# Altium PCB 4 Layers Motherboard.PcbDoc (part 1 of 3) (continued)
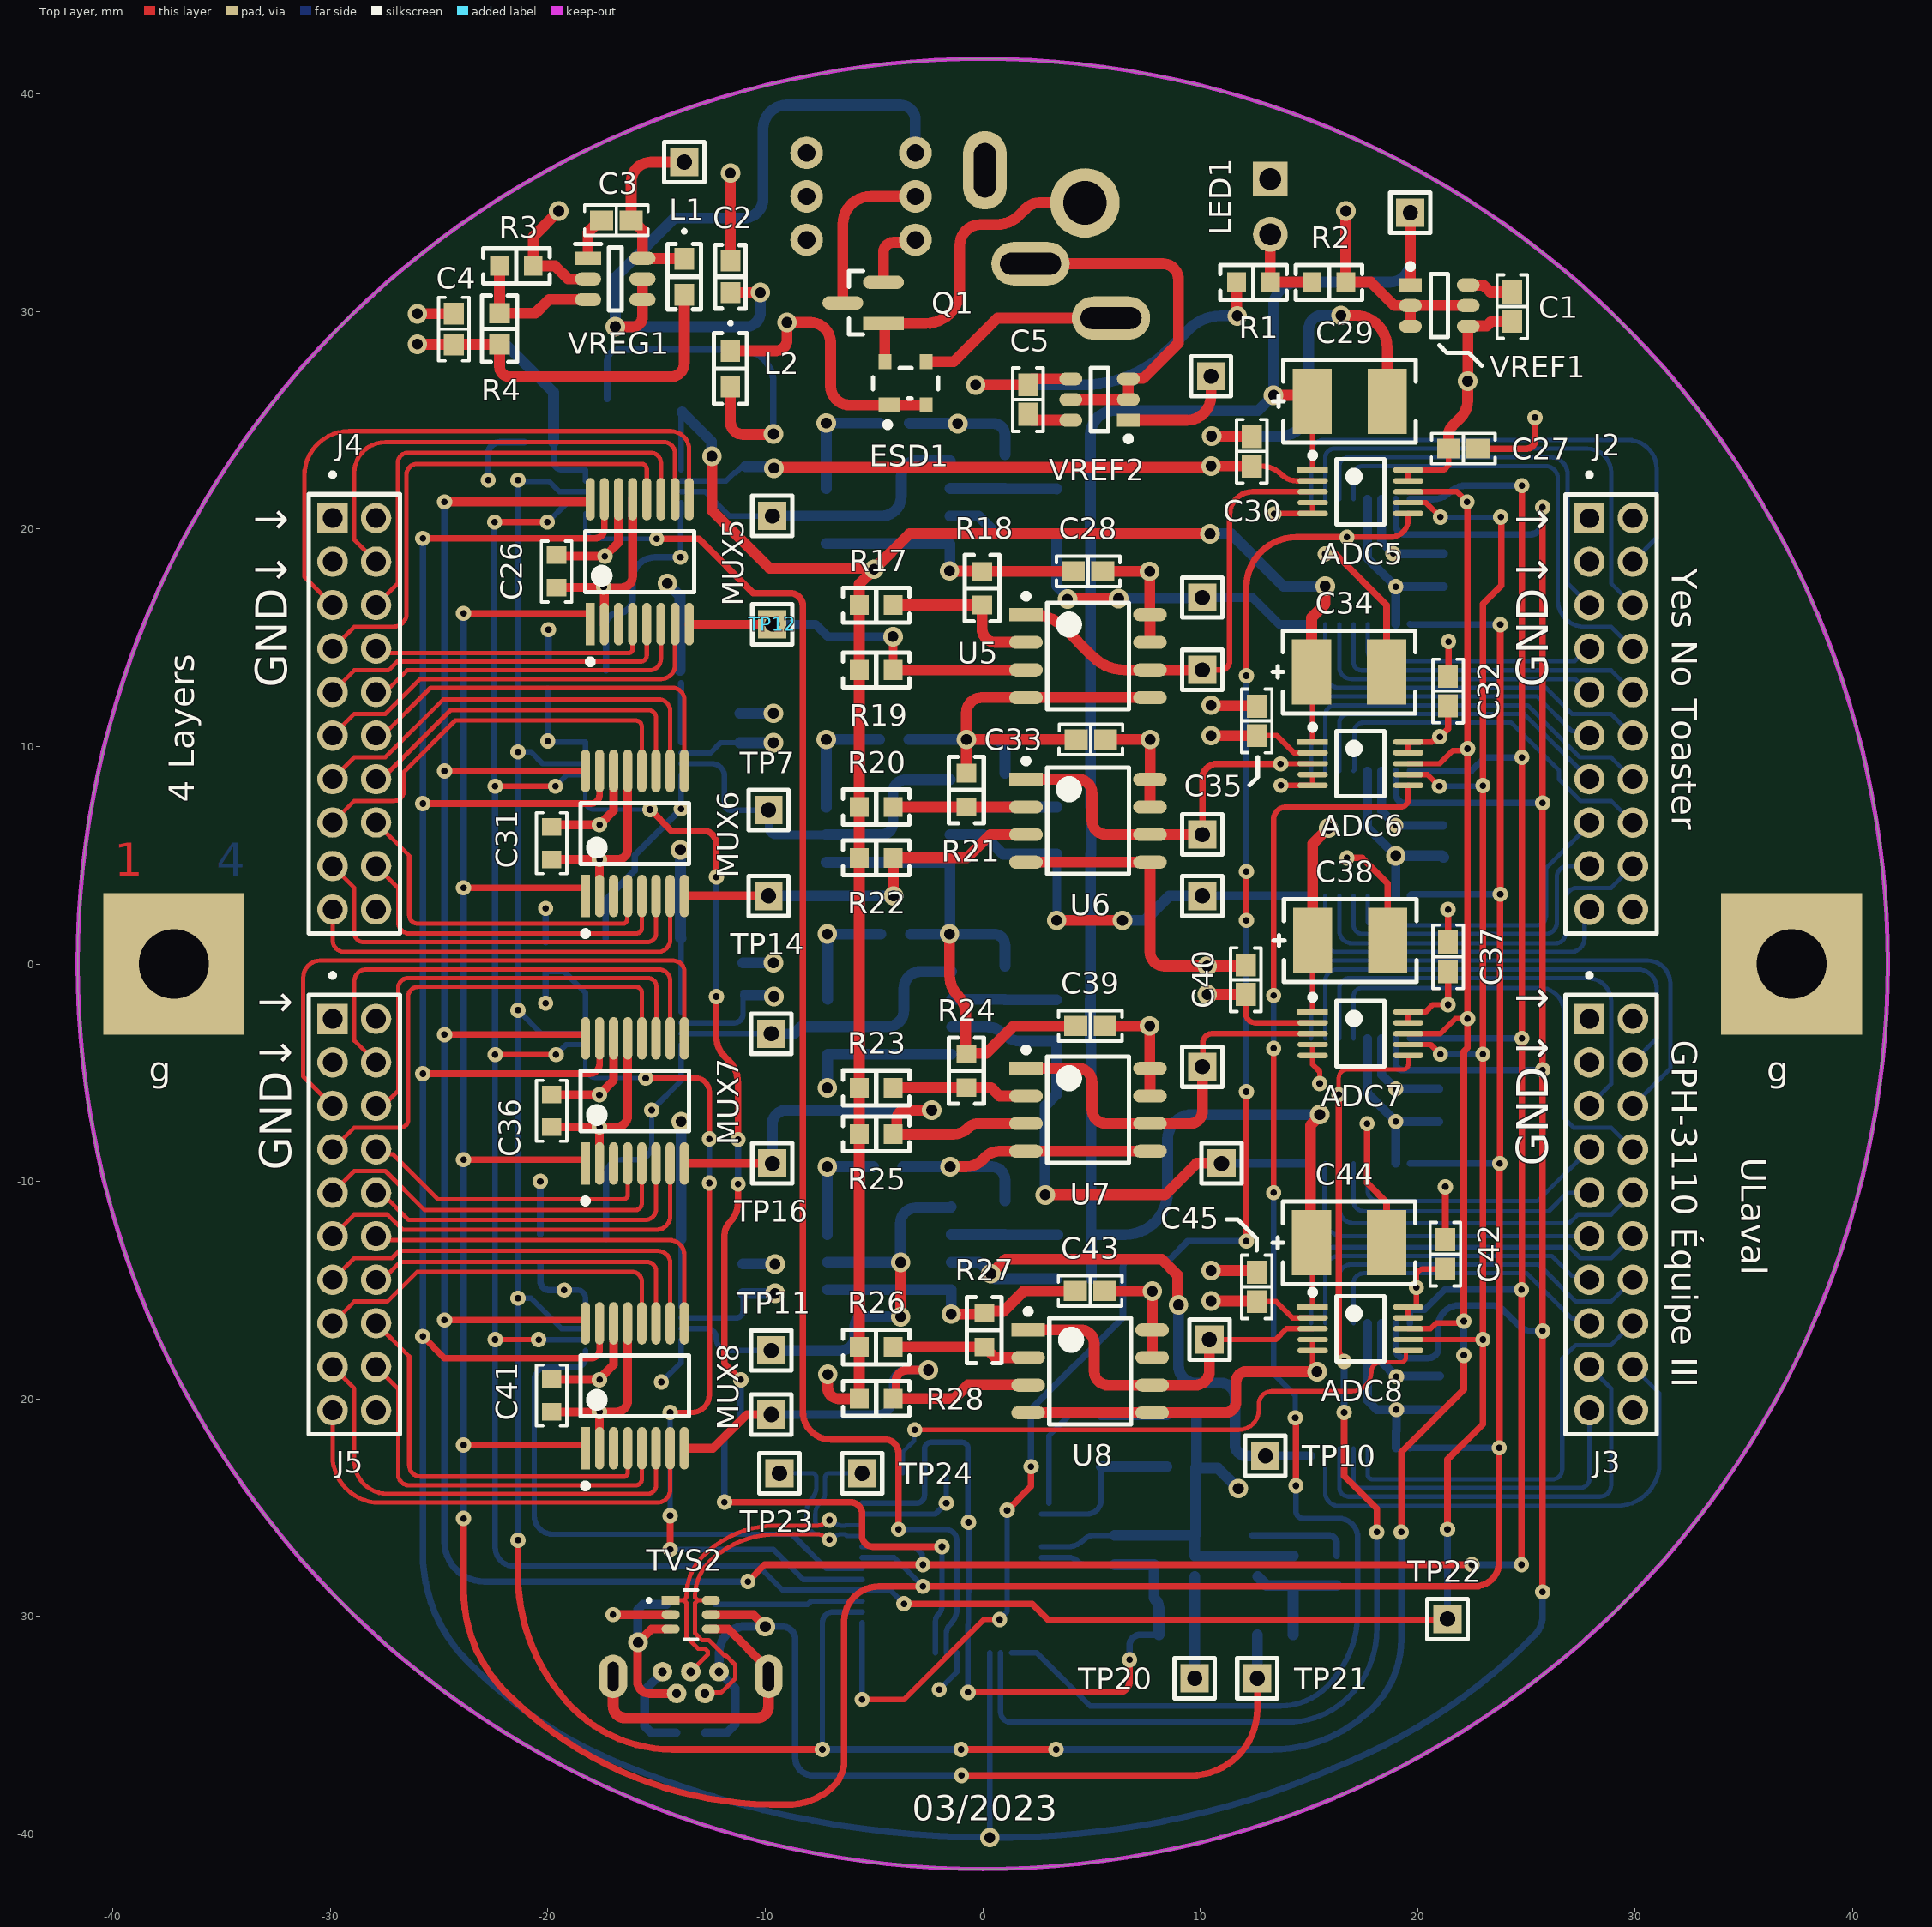
[diagram p0: Top Layer view]
## Footprints (in the part's own frame and the unit in brackets; to place one, negate y for a bottom-side part, rotate by r counter-clockwise, add the part's x,y. Pads: shape width x height; smd on the part's side, far side on the other; paste and mask are expansions set on the pad)
"ABS07-120-32.768KHZ-T A" [mm] "32.768 kHz ±20ppm Crystal 6pF 55 kOhms 2-SMD, No Lead"
  rect 1.4x1.9 smd: 1(-1.2,0) 2(1.2,0)
  silkscreen extent -2.2,-1.3 2.2,1.3, body extent -1.6,-0.75 1.6,0.75, height 0.9
ATSAMD21G18-AU [mm] "ARM® Cortex®-M0+ SAM D21G, Functional Safety (FuSa) Microcontroller IC 32-Bit Single-Core 48MHz 256KB (256K x 8) FLASH 48-TQFP (7x7)"
  rect 1.655x0.252 smd paste+0 mask+0: 1(-4.125,2.75)
  rrect100% 1.655x0.252 smd paste+0 mask+0: 2(-4.125,2.25) 3(-4.125,1.75) 4(-4.125,1.25) 5(-4.125,0.75) 6(-4.125,0.25) 7(-4.125,-0.25) 8(-4.125,-0.75) 9(-4.125,-1.25) 10(-4.125,-1.75) 11(-4.125,-2.25) 12(-4.125,-2.75) 25(4.125,-2.75) 26(4.125,-2.25) 27(4.125,-1.75) 28(4.125,-1.25) 29(4.125,-0.75) 30(4.125,-0.25) 31(4.125,0.25) 32(4.125,0.75) 33(4.125,1.25) 34(4.125,1.75) 35(4.125,2.25) 36(4.125,2.75)
  rrect100% 0.252x1.655 smd paste+0 mask+0: 13(-2.75,-4.125) 14(-2.25,-4.125) 15(-1.75,-4.125) 16(-1.25,-4.125) 17(-0.75,-4.125) 18(-0.25,-4.125) 19(0.25,-4.125) 20(0.75,-4.125) 21(1.25,-4.125) 22(1.75,-4.125) 23(2.25,-4.125) 24(2.75,-4.125) 37(2.75,4.125) 38(2.25,4.125) 39(1.75,4.125) 40(1.25,4.125) 41(0.75,4.125) 42(0.25,4.125) 43(-0.25,4.125) 44(-0.75,4.125) 45(-1.25,4.125) 46(-1.75,4.125) 47(-2.25,4.125) 48(-2.75,4.125)
  silkscreen extent -4.25,-2.75 2.75,3.58, body extent -4.5,-4.5 4.5,4.5, height 1.2
"Cap Ceramic 0.1 uF 50V SMT 0603" [mm] "0.1 µF ±5% 50V Ceramic Capacitor X7R 0603 (1608 Metric)"
  rect 1.058x0.912 smd paste+0 mask+0: 1(-0.677,0) 2(0.677,0)
  silkscreen extent -1.46,-0.7 1.46,0.7, body extent -1.46,-0.71 1.46,0.71, height 0.25
"Cap Ceramic 0.22 uF 25V SMT 0603" [mm] "0.22 µF ±10% 25V Ceramic Capacitor X7R 0603 (1608 Metric)"
  rect 0.959x0.912 smd paste+0 mask+0: 1(-0.727,0) 2(0.727,0)
  silkscreen extent -1.46,-0.7 1.46,0.7, body extent -1.46,-0.71 1.46,0.71, height 0.25
"Cap Ceramic 1 uF 16V SMT 0603" [mm] "1 µF ±10% 16V Ceramic Capacitor X5R 0603 (1608 Metric)"
  rect 1.058x0.912 smd paste+0 mask+0: 1(-0.677,0) 2(0.677,0)
  silkscreen extent -1.46,-0.7 1.46,0.7, body extent -0.8,-0.4 0.8,0.4, height 0.9
"Cap Ceramic 2.2 uF 6.3V SMT 0603" [mm] "2.2 µF ±10% 6.3V Ceramic Capacitor X7R 0603 (1608 Metric)"
  rect 1.058x0.912 smd paste+0 mask+0: 1(-0.677,0) 2(0.677,0)
  silkscreen extent -1.46,-0.7 1.46,0.7, body extent -1.46,-0.71 1.46,0.71, height 0.25
"Cap Ceramic 10 uF SMT 0603" [mm] "10 µF ±10% 6.3V Ceramic Capacitor X5R 0603 (1608 Metric)"
  rect 1.008x0.912 smd paste+0 mask+0: 1(-0.702,0) 2(0.702,0)
  silkscreen extent -1.46,-0.7 1.46,0.7, body extent -1.46,-0.71 1.46,0.71, height 0.25
"Cap Tantalum 10 uF 16V SMT 1411" [mm] "10 µF Molded Tantalum Capacitors 16 V 1411 (3528 Metric) 2Ohm"
  rect 1.8x3 smd paste+0 mask+0: 1(-1.725,0) 2(1.725,0)
  silkscreen extent -3.05,-1.91 3.52,1.91, body extent -1.75,-1.4 1.75,1.4, height 2.1
"Cap Yaego 0603 MFG" [mm]
  rect 0.8x0.9 smd paste+0 mask+0: 1(-0.75,0) 2(0.75,0)
  silkscreen extent -1.4,-0.7 1.4,0.7, body extent -0.8,-0.4 0.8,0.4, height 0.9
"Capacitor 20 pF SMT 0603" [mm]
  rect 1.058x0.912 smd paste+0 mask+0: 1(-0.677,0) 2(0.677,0)
  silkscreen extent -1.46,-0.7 1.46,0.7, body extent -0.8,-0.4 0.8,0.4, height 0.9
"DC Power Jack 2.5 mm" [mm] "Power Barrel Connector Jack 2.50mm ID (0.098\"), 5.50mm OD (0.217\") Through Hole"
  round 3.2 hole 2: 1(0,0)
  oval 3.6x2 hole 1 slot 2.8 at 0 deg: 2(-1.2,-5.3) 3(2.5,-2.8)
  oval 2x3.6 hole 1 slot 2.5 at 90 deg: S1(4.6,1.5)
  silkscreen extent -5.5,-6.75 4.75,4.45, body extent -4.7,-6.7 4.8,4.5, height 14.2
"Eaton Ferrite Bead 0603" [mil] "Power Line Ferrite Bead 0603 (1608 Metric)"
  rect 33.78x39 smd paste+0 mask+0: 1(-32.39,0) 2(32.39,0)
  silkscreen extent -85,-31 60,31, body extent -36,-19 36,19, height 39
"Headers 20 Pos TH 0.079\" 4-3 - A" [mm] "Connector Header Through Hole 20 position 0.079\" (2.00mm)"
  rect 1.4x1.4 hole 0.9: 1(-9,-1)
  round 1.4 hole 0.9: 2(-7,-1) 3(-5,-1) 4(-3,-1) 5(-1,-1) 6(1,-1) 7(3,-1) 8(5,-1) 9(7,-1) 10(9,-1) 11(9,1) 12(7,1) 13(5,1) 14(3,1) 15(1,1) 16(-1,1) 17(-3,1) 18(-5,1) 19(-7,1) 20(-9,1)
  silkscreen extent -11.1,-2.1 10.1,2.1, body extent -10,-2 10,2, height 6
"Inductor 4.7 uH SMT 0603" [mil] "4.7 µH Shielded Multilayer Inductor 15 mA 2.1Ohm Max 0603 (1608 Metric)"
  rect 40x35 smd paste+0 mask+0: 1(-32.5,0) 2(32.5,0)
  silkscreen extent -85,-30 59,30, body extent -34,-19 34,19, height 39
IRLML9303TRPBF [mm] "P-Channel 30 V 2.3A (Ta) 1.25W (Ta) Surface Mount Micro3™/SOT-23"
  rect 1.874x0.612 smd paste+0 mask+0: 1(-0.935,0.95)
  rrect100% 1.874x0.612 smd paste+0 mask+0: 2(-0.935,-0.95) 3(0.935,0)
  silkscreen extent 0,-1.46 0.65,1.46, body extent -2.37,-1.96 2.37,1.96, height 0.25
"Keystone Square Washer pad" [mm]
  rect 6.5x6.5 hole 3.2: 1(0,0)
"Led 3 mm Vertical Clear" [mm]
  rect 1.6x1.6 hole 1: 1(1.27,0)
  round 1.6 hole 1: 2(-1.27,0)
  silkscreen extent -1.66,-1.95 1.4,1.95, body extent -1.95,-1.94 1.87,1.94, height 10.5
LMR50410YFQDBVRQ1 [mm] "Buck Switching Regulator IC Positive Adjustable 1V 1 Output 1A SOT-23-6"
  rect 1.2x0.6 smd: 1(-1.25,0.95)
  oval 1.2x0.6 smd: 2(-1.25,0) 3(-1.25,-0.95) 4(1.25,-0.95) 5(1.25,0) 6(1.25,0.95)
  silkscreen extent -1.85,-1.45 0.3,1.6, body extent -1.4,-1.45 1.4,1.45, height 1.45
MCP6N11-100E/SN [mm] "Instrumentation Amplifier 1 Circuit Rail-to-Rail 8-SOIC"
  rect 1.55x0.6 smd: 1(-2.85,1.905)
  oval 1.55x0.6 smd: 2(-2.85,0.635) 3(-2.85,-0.635) 4(-2.85,-1.905) 5(2.85,-1.905) 6(2.85,-0.635) 7(2.85,0.635) 8(2.85,1.905)
  silkscreen extent -2.98,-2.45 1.88,2.88, body extent -3,-2.45 3,2.45, height 1.75
MCP1501T-XXE/CHY [mm] "Series Voltage Reference IC Fixed V ±0.1% 20 mA SOT-23-6"
  rect 1.05x0.6 smd: 1(-1.325,0.95)
  oval 1.05x0.6 smd: 2(-1.325,0) 3(-1.325,-0.95) 4(1.325,-0.95) 5(1.325,0) 6(1.325,0.95)
  silkscreen extent -1.45,-1.45 0.4,1.92, body extent -1.4,-1.45 1.4,1.45, height 1.17
MCP33141-10-E/MS [mm] "12 Bit Analog to Digital Converter 1 Input 1 SAR 10-MSOP"
  rect 1.4x0.25 smd: 1(-2.2,1)
  oval 1.4x0.25 smd: 2(-2.2,0.5) 3(-2.2,0) 4(-2.2,-0.5) 5(-2.2,-1) 6(2.2,-1) 7(2.2,-0.5) 8(2.2,0) 9(2.2,0.5) 10(2.2,1)
  silkscreen extent -2.33,-1.5 1.1,1.8, body extent -2.45,-1.5 2.45,1.5, height 1.1
RCLAMP0504FA.TCT [mil]
  rect 33x16 smd paste+0 mask+0: 1(-36.5,26)
  oval 33x16 smd paste+0 mask+0: 2(-36.5,0) 3(-36.5,-26) 4(36.5,-26) 5(36.5,0) 6(36.5,26)
  silkscreen extent -79,-44 12,44, body extent -39,-39 39,39, height 43
"Res 10K 0.1% SMT 0603" [mm] "10 kOhms ±0.1% 0.1W, 1/10W Chip Resistor 0603 (1608 Metric) Thin Film"
  rect 0.859x0.912 smd paste+0 mask+0: 1(-0.777,0) 2(0.777,0)
  silkscreen extent -1.52,-0.8 1.52,0.8, body extent -0.76,-0.4 0.84,0.4, height 0.58
"Res 88K7 1% SMT 0603" [mm] "88.7 kOhms ±1% 0.1W, 1/10W Chip Resistor 0603 (1608 Metric) Automotive AEC-Q200 Thick Film"
  rect 0.935x0.962 smd paste+0 mask+0: 1(-0.715,0) 2(0.715,0)
  silkscreen extent -1.52,-0.8 1.52,0.8, body extent -1.43,-0.73 1.43,0.73, height 0.25
"Resistor Yaego SMT 0603" [mm] "Resistor Yaego SMT 0603"
  rect 0.859x0.912 smd paste+0 mask+0: 1(-0.777,0) 2(0.777,0)
  silkscreen extent -1.52,-0.8 1.52,0.8, body extent -1.46,-0.71 1.46,0.71, height 0.25
"Schottky Diode 30V SMT" [mm] "NSR0530HT1G"
  rect 0.625x0.83 smd: 1(-1.112,0) 2(1.112,0)
  silkscreen extent -1.78,-0.8 1.78,0.8, body extent -1.36,-0.63 1.36,0.62, height 1.05
"SQ PAD" [mm] "Pad"
  rect 1.3x1.3 hole 0.7: 1(0,0)
  silkscreen extent -0.92,-0.92 0.92,0.92
"SW DPDT Pushbutton" [mm] "Pushbutton Switch DPDT Standard Through Hole"
  round 1.5 hole 0.8: 1(-1.905,-2.54) 2(0.095,-2.54) 3(2.095,-2.54) 4(-1.905,2.46) 5(0.095,2.46) 6(2.095,2.46)
  silkscreen extent -3.4,-4.14 3.59,3.46, body extent -3.4,-3.53 3.6,3.47, height 12.5
TMUX1208PWR [mm] "5-V, 8: 1, 1-channel general-purpose analog multiplexer with 1.8-V input logic 16-TSSOP -40 to 125"
  rect 1.955x0.421 smd paste+0 mask+0: 1(-2.875,2.275)
  rrect100% 1.955x0.421 smd paste+0 mask+0: 2(-2.875,1.625) 3(-2.875,0.975) 4(-2.875,0.325) 5(-2.875,-0.325) 6(-2.875,-0.975) 7(-2.875,-1.625) 8(-2.875,-2.275) 9(2.875,-2.275) 10(2.875,-1.625) 11(2.875,-0.975) 12(2.875,-0.325) 13(2.875,0.325) 14(2.875,0.975) 15(2.875,1.625) 16(2.875,2.275)
  silkscreen extent -4.73,-2.5 1.4,2.5, body extent -3.2,-2.5 3.2,2.5, height 1.2
"TVS Diode Array Ultra-Low Capacitance" [mm] "Clamp Ipp Tvs Diode Surface Mount SOT-143B"
  rect 0.7x1 smd paste-1000 mask+0: 1(-1,0.75)
  rect 0.7x0.6 smd paste-1000 mask+0: 2(-1,-0.95) 3(1,-0.95) 4(1,0.95)
  silkscreen extent -2.02,-1.5 0.7,1.5, body extent -1.5,-1.63 1.5,1.63, height 0.25
"USB MICRO-AB CONNECTOR B" [mm] "USB - Micro AB 2.0 Receptacle Connector 5 Position, Vertical, Through Hole with 2.30 mm (Standard) Shell Stakes, 5-Pin THD, RoHS, Tape and Reel"
  round 0.9 hole 0.4: 1(-1.3,0) 2(-0.65,-1) 3(0,0) 4(0.65,-1) 5(1.3,0)
  oval 1.3x2 hole 0.5 slot 1.35 at 90 deg: 6(-3.575,-0.22) 7(3.575,-0.22)
  silkscreen extent -4.03,-1.68 4.03,1.95, body extent -3.98,-1.68 3.98,1.25, height 5.61

## Part data
ADC1 ADC2 ADC3 ADC4 ADC5 ADC6 ADC7 ADC8: library part "ADC 12 bits 1MSPS", "12 Bit Analog to Digital Converter 1 Input 1 SAR 10-MSOP", Supplier Part Number 1=MCP33141-10-E/MS-ND, Supplier 1=Digi-Key
ATSAMD1: library part ATSAMD21G18A-AU, "ARM® Cortex®-M0+ SAM D21G, Functional Safety (FuSa) Microcontroller IC 32-Bit Single-Core 48MHz 256KB (256K x 8) FLASH 48-TQFP (7x7)", Supplier Part Number 1=ATSAMD21G18A-AU-ND, ComponentLink1Description=Datasheet, ComponentLink1URL=https://ww1.microchip.com/downloads/en/DeviceDoc/SAM-D21-DA1-Family-Data-Sheet-DS40001882H.pdf, ComponentLink2Description="Arduino Zero", ComponentLink2URL=https://docs.arduino.cc/hardware/zero, Supplier 1=Digi-Key
C1 C5 C46: "2.2 µF ±10% 6.3V Ceramic Capacitor X7R 0603 (1608 Metric)", Device Package="0603 (1608 Metric)", Manufacturer=Yageo, Operating Temperature="-55°C ~ 125°C", Part Number=CC0603KRX7R5BB225, Supplier Part Number 1=311-1795-1-ND, Temperature Coefficient=X7R, Tolerance=±10%, Voltage - Rated=6.3V, Applications="General Purpose", ComponentLink1Description=Datasheet, ComponentLink2Description="DigiKey Link", ComponentLink2URL=https://www.digikey.com/en/products/detail/yageo/CC0603KRX7R5BB225/5195203, lastupdated="2023-03-06 20:08:32", Lifecycle Status=Active, Minimum Order=1, Mounting Type="Surface Mount, MLCC", Package / Case="0603 (1608 Metric)", Packaging=TapeAndReel, Part Status=Active, partid=41539, price=0.01, Series=CC, Size / Dimension="0.063\" L x 0.031\" W (1.60mm x 0.80mm)", Supplier 1=Digi-Key, Supplier 2=Digi-Key, Supplier 3=Digi-Key, Supplier Part Number 2=311-1795-6-ND, Supplier Part Number 3=311-1795-2-ND, Thickness (Max)="0.035\" (0.90mm)"
C2: "0.22 µF ±10% 25V Ceramic Capacitor X7R 0603 (1608 Metric)", Capacitance=0.22µF, Device Package="0603 (1608 Metric)", Manufacturer="Murata Electronics", Operating Temperature="-55°C ~ 125°C", Part Number=GRM188R71E224KA88D, Supplier Part Number 1=490-3290-1-ND, Temperature Coefficient=X7R, Tolerance=±10%, Voltage - Rated=25V, Applications="General Purpose", ComponentLink1Description=Datasheet, ComponentLink1URL=https://www.murata.com/~/media/webrenewal/support/library/catalog/products/capacitor/mlcc/c02e.ashx?la=en-us, ComponentLink2Description="DigiKey Link", ComponentLink2URL=https://www.digikey.com/en/products/detail/murata-electronics/GRM188R71E224KA88D/702554, lastupdated="2023-03-05 20:08:17", Lifecycle Status=Active, Minimum Order=1, Mounting Type="Surface Mount, MLCC", Package / Case="0603 (1608 Metric)", Packaging=TapeAndReel, Part Status=Active, partid=11196, price=0.01, Series=GRM, Size / Dimension="0.063\" L x 0.031\" W (1.60mm x 0.80mm)", Supplier 1=Digi-Key, Supplier 2=Digi-Key, Supplier 3=Digi-Key, Supplier Part Number 2=490-3290-6-ND, Supplier Part Number 3=490-3290-2-ND, Thickness (Max)="0.035\" (0.90mm)"
C3 C21 C23 C26 C28 C31 C33 C36 C39 C41 C43 C48 C49 C50: "0.1 µF ±5% 50V Ceramic Capacitor X7R 0603 (1608 Metric)", Capacitance=0.1μF, Device Package="0603 (1608 Metric)", Manufacturer=Yageo, Operating Temperature="-55°C ~ 125°C", Part Number=CC0603JRX7R9BB104, Supplier Part Number 1=311-1779-1-ND, Temperature Coefficient=X7R, Tolerance=±5%, Voltage - Rated=50V, Applications="General Purpose", ComponentLink1Description=Datasheet, ComponentLink1URL=https://www.yageo.com/upload/media/product/productsearch/datasheet/mlcc/UPY-GPHC_X7R_6.3V-to-50V_18.pdf, ComponentLink2Description="DigiKey Link", ComponentLink2URL=https://www.digikey.com/en/products/detail/yageo/CC0603JRX7R9BB104/5195188, lastupdated="2023-03-06 20:08:09", Lifecycle Status=Active, Minimum Order=1, Mounting Type="Surface Mount, MLCC", Package / Case="0603 (1608 Metric)", Packaging=TapeAndReel, Part Status=Active, partid=12474, price=0.01, Series=CC, Size / Dimension="0.063\" L x 0.031\" W (1.60mm x 0.80mm)", Supplier 1=Digi-Key, Supplier 2=Digi-Key, Supplier 3=Digi-Key, Supplier Part Number 2=311-1779-6-ND, Supplier Part Number 3=311-1779-2-ND, Thickness (Max)="0.035\" (0.90mm)"
C4: library part "Cap Ceramic 10 uF SMT 0603", "10 µF ±10% 6.3V Ceramic Capacitor X5R 0603 (1608 Metric)", Capacitance=10μF, Device Package="0603 (1608 Metric)", Manufacturer="Murata Electronics", Operating Temperature="-55°C ~ 85°C", Supplier Part Number 1=490-GRM188R60J106KE47JCT-ND, Temperature Coefficient=X5R, Tolerance=±10%, Voltage - Rated=6.3V, Applications="General Purpose", ComponentLink2Description="DigiKey Link", ComponentLink2URL=https://www.digikey.com/en/products/detail/murata-electronics/GRM188R60J106KE47J/10691412, lastupdated="2023-03-08 20:07:22", Lifecycle Status=Active, Minimum Order=1, Mounting Type="Surface Mount, MLCC", Package / Case="0603 (1608 Metric)", Packaging=TapeAndReel, Part Number=GRM188R60J106KE47J, Part Status=Active, partid=47219, price=0.01, Series=GRM, Size / Dimension="0.063\" L x 0.032\" W (1.60mm x 0.80mm)", Supplier 1=Digi-Key, Supplier 2=Digi-Key, Supplier 3=Digi-Key, Supplier Part Number 2=490-GRM188R60J106KE47JDKR-ND, Supplier Part Number 3=490-GRM188R60J106KE47JTR-ND, Thickness (Max)="0.035\" (0.90mm)"
C6 C7 C8 C11 C12 C13 C16 C17 C18 C22 C27 C32 C37 C42: library part "Cap Ceramic 0.1 uF SMT 0603", "0.1 µF ±5% 50V Ceramic Capacitor X7R 0603 (1608 Metric)", Capacitance=0.1μF, Device Package="0603 (1608 Metric)", Manufacturer=Yageo, Operating Temperature="-55°C ~ 125°C", Supplier Part Number 1=311-1779-1-ND, Temperature Coefficient=X7R, Tolerance=±5%, Voltage - Rated=50V, Applications="General Purpose", ComponentLink1Description=Datasheet, ComponentLink1URL=https://www.yageo.com/upload/media/product/productsearch/datasheet/mlcc/UPY-GPHC_X7R_6.3V-to-50V_18.pdf, ComponentLink2Description="DigiKey Link", ComponentLink2URL=https://www.digikey.com/en/products/detail/yageo/CC0603JRX7R9BB104/5195188, lastupdated="2023-03-06 20:08:09", Lifecycle Status=Active, Minimum Order=1, Mounting Type="Surface Mount, MLCC", Package / Case="0603 (1608 Metric)", Packaging=TapeAndReel, Part Number=CC0603JRX7R9BB104, Part Status=Active, partid=12474, price=0.01, Series=CC, Size / Dimension="0.063\" L x 0.031\" W (1.60mm x 0.80mm)", Supplier 1=Digi-Key, Supplier 2=Digi-Key, Supplier 3=Digi-Key, Supplier Part Number 2=311-1779-6-ND, Supplier Part Number 3=311-1779-2-ND, Thickness (Max)="0.035\" (0.90mm)"
C9 C14 C19 C24 C29 C34 C38 C44: "10 µF Molded Tantalum Capacitors 16 V 1411 (3528 Metric) 2Ohm", Case Code (Imperial)=1411, Supplier Part Number 1=718-1124-1-ND, Voltage Rating=16V, Supplier 1=Digi-Key, Supplier 2=Digi-Key, Supplier 3=Digi-Key, Supplier Part Number 2=718-1124-6-ND, Supplier Part Number 3=718-1124-2-ND
C10 C15 C20: library part "Cap Ceramic 1 uF SMT 0603", "1 µF ±10% 16V Ceramic Capacitor X7R 0603 (1608 Metric)", Case Code (Imperial)=0603, Dielectric=XR7, Max Operating Temperature=125°C, Min Operating Temperature=-55°C, Resistor Type=Ceramic, Supplier Part Number 1=13-CC0603KPX7R7BB105CT-ND, Tolerance=10%, Voltage Rating (DC)=16V, Construction=Flat, Height=0.8mm, Length=1.6mm, Supplier 1=Digi-Key, Supplier 2=Digi-Key, Supplier 3=Digi-Key, Supplier Part Number 2=13-CC0603KPX7R7BB105DKR-ND, Supplier Part Number 3=13-CC0603KPX7R7BB105TR-ND, Termination=SMT/SMD
C25 C30 C35 C40 C45: "1 µF ±10% 16V Ceramic Capacitor X7R 0603 (1608 Metric)", Case Code (Imperial)=0603, Dielectric=XR7, Max Operating Temperature=125°C, Min Operating Temperature=-55°C, Resistor Type=Ceramic, Supplier Part Number 1=13-CC0603KPX7R7BB105CT-ND, Tolerance=10%, Voltage Rating (DC)=16V, Construction=Flat, Height=0.8mm, Length=1.6mm, Supplier 1=Digi-Key, Supplier 2=Digi-Key, Supplier 3=Digi-Key, Supplier Part Number 2=13-CC0603KPX7R7BB105DKR-ND, Supplier Part Number 3=13-CC0603KPX7R7BB105TR-ND, Termination=SMT/SMD
C47: library part "Cap Ceramic 2.2 uF SMT 0603", "2.2 µF ±10% 6.3V Ceramic Capacitor X7R 0603 (1608 Metric)", Device Package="0603 (1608 Metric)", Manufacturer=Yageo, Operating Temperature="-55°C ~ 125°C", Supplier Part Number 1=311-1795-1-ND, Temperature Coefficient=X7R, Tolerance=±10%, Voltage - Rated=6.3V, Applications="General Purpose", ComponentLink1Description=Datasheet, ComponentLink2Description="DigiKey Link", ComponentLink2URL=https://www.digikey.com/en/products/detail/yageo/CC0603KRX7R5BB225/5195203, lastupdated="2023-03-06 20:08:32", Lifecycle Status=Active, Minimum Order=1, Mounting Type="Surface Mount, MLCC", Package / Case="0603 (1608 Metric)", Packaging=TapeAndReel, Part Number=CC0603KRX7R5BB225, Part Status=Active, partid=41539, price=0.01, Series=CC, Size / Dimension="0.063\" L x 0.031\" W (1.60mm x 0.80mm)", Supplier 1=Digi-Key, Supplier 2=Digi-Key, Supplier 3=Digi-Key, Supplier Part Number 2=311-1795-6-ND, Supplier Part Number 3=311-1795-2-ND, Thickness (Max)="0.035\" (0.90mm)"
C51 C52: library part "Cap Ceramic 20 pF SMT 0603", "20 pF ±5% 50V Ceramic Capacitor C0G, NP0 0603 (1608 Metric)", Capacitance="20 pF", Device Package="0603 (1608 Metric)", Manufacturer=Yageo, Operating Temperature="-55°C ~ 125°C", Supplier Part Number 1=311-1424-1-ND, Temperature Coefficient="C0G, NP0", Tolerance=±5%, Voltage - Rated=50V, Applications="General Purpose", ComponentLink1Description=Datasheet, ComponentLink1URL=https://www.yageo.com/upload/media/product/productsearch/datasheet/mlcc/UPY-GP_NP0_16V-to-50V_17.pdf, ComponentLink2Description="DigiKey Link", ComponentLink2URL=https://www.digikey.com/en/products/detail/yageo/CC0603JRNPO9BN200/2833589, lastupdated="2023-03-06 20:07:50", Lifecycle Status=Active, Minimum Order=1, Mounting Type="Surface Mount, MLCC", Package / Case="0603 (1608 Metric)", Packaging=TapeAndReel, Part Number=CC0603JRNPO9BN200, Part Status=Active, partid=16728, price=0.01, Series=CC, Size / Dimension="0.063\" L x 0.031\" W (1.60mm x 0.80mm)", Supplier 1=Digi-Key, Supplier 2=Digi-Key, Supplier 3=Digi-Key, Supplier Part Number 2=311-1424-6-ND, Supplier Part Number 3=311-1424-2-ND, Thickness (Max)="0.035\" (0.90mm)"
D1: library part "Schottky Diode 30V", "Schottky Diode 30 V 500mA Surface Mount SOD-323", Capacitance @ Vr, F="10pF @ 1V, 1MHz", Current - Average Rectified (Io)="500mA (DC)", Current - Reverse Leakage @ Vr="200µA @ 30V", Manufacturer="ON Semiconductor", Operating Temperature - Junction="-55°C ~ 150°C", Package / Case="SC-76, SOD-323", Supplier Device Package=SOD-323, Supplier Part Number 1=NSR0530HT1GOSCT-ND, Voltage - DC Reverse (Vr) (Max)=30V, Voltage - Forward (Vf) (Max) @ If="620mV @ 500mA", ComponentLink1Description=Datasheet, ComponentLink1URL=http://www.onsemi.com/pub/Collateral/NSR0530H-D.PDF, ComponentLink2Description="DigiKey Link", ComponentLink2URL=http://digikey.com/product-detail/en/on-semiconductor/NSR0530HT1G/NSR0530HT1GOSCT-ND/5761654, Diode Type=Schottky, lastupdated="2023-03-06 21:08:52", Lifecycle Status=Active, Minimum Order=1, Mounting Type="Surface Mount", Packaging=TapeAndReel, Part Number=NSR0530HT1G, Part Status=Active, partid=3077, price=0.03, Series=-, Speed="Fast Recovery =< 500ns, > 200mA (Io)", Supplier 1=Digi-Key, Supplier 2=Digi-Key, Supplier 3=Digi-Key, Supplier Part Number 2=NSR0530HT1GOSDKR-ND, Supplier Part Number 3=NSR0530HT1GOSTR-ND
ESD1: library part "TVS Diode Array Ultra-Low Capacitance", "Clamp Ipp Tvs Diode Surface Mount SOT-143B", Supplier Part Number 1=1727-3884-1-ND, Supplier 1=Digi-Key, Supplier 2=Digi-Key, Supplier 3=Digi-Key, Supplier Part Number 2=1727-3884-6-ND, Supplier Part Number 3=1727-3884-2-ND
FB1 FB2: library part "Ferrite Bead 0R SMD 0603", "0Ω 1 Power Line Ferrite Bead 0603 (1608 Metric) 6A 20mOhm", Current Rating (Max)=6A, DC Resistance (DCR) (Max)=20mOhm, Device Package="0603 (1608 Metric)", Impedance @ Frequency="0 Ohms @ 100 MHz", Manufacturer="Eaton - Electronics Division", Operating Temperature="-40°C ~ 85°C", Supplier Part Number 1=283-MFBM1V1608-000-RCT-ND, ComponentLink1Description=Datasheet, ComponentLink1URL=https://www.eaton.com/content/dam/eaton/products/electronic-components/resources/data-sheet/eaton-mfbm1v1608-high-current-multilayer-ferrite-chip-bead-data-sheet.pdf, ComponentLink2Description="DigiKey Link", ComponentLink2URL=https://www.digikey.com/en/products/detail/eaton-electronics-division/MFBM1V1608-000-R/13161356, Filter Type="Power Line", Height (Max)="0.039\" (1.00mm)", lastupdated="2023-03-12 7:51:35 PM", Lifecycle Status=Active, Minimum Order=1, Mounting Type="Surface Mount", Number of Lines=1, Package / Case="0603 (1608 Metric)", Packaging=TapeAndReel, Part Number=MFBM1V1608-000-R, Part Status=Active, partid=2605, price=0.01, Series=MFBM1V1608, Size / Dimension="0.063\" L x 0.031\" W (1.60mm x 0.80mm)", Supplier 1=Digi-Key, Supplier 2=Digi-Key, Supplier Part Number 2=283-MFBM1V1608-000-RDKR-ND
J1: library part "DC Power Jack 2.5 mm Vertical", "Power Barrel Connector Jack 2.50mm ID (0.098\"), 5.50mm OD (0.217\") Through Hole", Current Rating=5A, Max Operating Temperature=85°C, Min Operating Temperature=-25°C, Supplier Part Number 1=2223-PJ-090BHCT-ND, Voltage Rating=25V, Contact Material="Brass, Copper Alloy", Contact Material - Plating=Silver, Housing Material="Polyamide (PA10T), Nylon 10T", Shielding=Shielded, Supplier 1=Digi-Key, Supplier 2=Digi-Key, Supplier 3=Digi-Key, Supplier Part Number 2=2223-PJ-090BHDKR-ND, Supplier Part Number 3=2223-PJ-090BHTR-ND
J2 J3 J4 J5: library part "Headers 20 Pos TH 0.079\" 4-3", "Connector Header Through Hole 20 position 0.079\" (2.00mm)", Supplier Part Number 1=2073-BF050-20-A-B-0400-0300-L-G-ND, Supplier 1=Digi-Key
L1 L2: library part "Inductor 4.7 µH SMT 0603", "4.7 µH Shielded Multilayer Inductor 15 mA 2.1Ohm Max 0603 (1608 Metric)", Case Code (Imperial)=1206, Max Operating Temperature=125°C, Min Operating Temperature=-55°C, Self Resonant Frequency=41MHz, Supplier Part Number 1=541-4369-1-ND, Tolerance=10%, ComponentLink1Description=Datasheet, ComponentLink1URL=https://www.vishay.com/docs/34029/ilsb1206.pdf, Core Material=Ferrite, Depth=1.8mm, Supplier 1=Digi-Key, Supplier 2=Digi-Key, Supplier Part Number 2=541-4369-6-ND, Weight=0.000353oz, Width=1.6mm
LED1: library part "LED Green 3mm 3.2V Vertical", "Green 530nm LED Indication - Discrete 3.2V Radial", Operating Voltage=3.2V, Supplier Part Number 1=732-5012-ND, Supplier 1=Digi-Key
M1 M2: library part "Standoff M3 7mm", "Hex Standoff Threaded M3x0.5 Brass 0.276\" (7.00mm)", Supplier Part Number 1=952-1498-ND, Supplier 1=Digi-Key
MUX1 MUX2 MUX3 MUX4 MUX5 MUX6 MUX7 MUX8: library part "MUX Analog 8:1", "5-V, 8: 1, 1-channel general-purpose analog multiplexer with 1.8-V input logic 16-TSSOP -40 to 125", Supplier Part Number 1=296-51847-1-ND, ComponentLink1Description=Datasheet, ComponentLink1URL=https://www.ti.com/lit/ds/symlink/tmux1208.pdf?HQS=dis-dk-null-digikeymode-dsf-pf-null-wwe&ts=1678139087624&ref_url=https%253A%252F%252Fwww.ti.com%252Fgeneral%252Fdocs%252Fsuppproductinfo.tsp%253FdistId%253D10%2526gotoUrl%253Dhttps%253A%252F%252Fwww.ti.com%252Flit%252Fgpn%252Ftmux1208, Supplier 1=Digi-Key, Supplier 2=Digi-Key, Supplier 3=Digi-Key, Supplier Part Number 2=296-51847-6-ND, Supplier Part Number 3=296-51847-2-ND
Q1: library part "MOSFET P-Channel 30V SMD", "P-Channel 30 V 2.3A (Ta) 1.25W (Ta) Surface Mount Micro3™/SOT-23", Current - Continuous Drain (Id) @ 25°C="2.3A (Ta)", Drain to Source Voltage (Vdss)="30 V", Drive Voltage (Max Rds On,  Min Rds On)="4.5V, 10V", Input Capacitance (Ciss) (Max) @ Vds="160 pF @ 25 V", Manufacturer="Infineon Technologies", Operating Temperature="-55°C ~ 150°C (TJ)", Package / Case="TO-236-3, SC-59, SOT-23-3", Power Dissipation (Max)="1.25W (Ta)", Supplier Device Package=Micro3™/SOT-23, Supplier Part Number 1=IRLML9303TRPBFCT-ND, ComponentLink1Description=Datasheet, ComponentLink1URL=https://www.infineon.com/dgdl/irlml9303pbf.pdf?fileId=5546d462533600a401535668ef1d2642, ComponentLink2Description="DigiKey Link", ComponentLink2URL=https://www.digikey.com/en/products/detail/infineon-technologies/IRLML9303TRPBF/2354147, FET Type=P-Channel, Gate Charge (Qg) (Max) @ Vgs="2 nC @ 4.5 V", lastupdated="2023-03-05 21:05:43", Lifecycle Status=Active, Minimum Order=1, Mounting Type="Surface Mount", Packaging=TapeAndReel, Part Number=IRLML9303TRPBF, Part Status=Active, price=0.11, Rds On (Max) @ Id, Vgs="165mOhm @ 2.3A, 10V", Series=HEXFET®, Supplier 1=Digi-Key, Supplier 2=Digi-Key, Supplier 3=Digi-Key, Supplier Part Number 2=IRLML9303TRPBFDKR-ND, Supplier Part Number 3=IRLML9303TRPBFTR-ND, Technology="MOSFET (Metal Oxide)", Vgs (Max)=±20V, Vgs(th) (Max) @ Id="2.4V @ 10µA"
R1: library part "Res 2K61 1% SMT 0603", "2.61 kOhms ±1% 0.1W, 1/10W Chip Resistor 0603 (1608 Metric) Moisture Resistant Thick Film", Device Package="0603 (1608 Metric)", Manufacturer=Yageo, Operating Temperature="-55°C ~ 155°C", Power (Watts)="0.1W, 1/10W", Resistance=2K61, Supplier Device Package=0603, Supplier Part Number 1=311-2.61KHRCT-ND, Temperature Coefficient=±100ppm/°C, Tolerance=±1%, ComponentLink1Description=Datasheet, ComponentLink1URL=https://www.yageo.com/upload/media/product/productsearch/datasheet/rchip/PYu-RC_Group_51_RoHS_L_10.pdf, ComponentLink2Description="DigiKey Link", ComponentLink2URL=https://www.digikey.com/en/products/detail/yageo/RC0603FR-072K61L/727030, Composition="Thick Film", Features="Moisture Resistant", Height - Seated (Max)="0.022\" (0.55mm)", lastupdated="2023-03-10 20:29:10", Lifecycle Status=Active, Minimum Order=1, Number of Terminations=2, Package / Case="0603 (1608 Metric)", Packaging=CutTape, Part Number=RC0603FR-072K61L, Part Status=Active, partid=19094, price=0.01, Series=RC_L, Size / Dimension="0.063\" L x 0.031\" W (1.60mm x 0.80mm)", Supplier 1=Digi-Key, Supplier 2=Digi-Key, Supplier 3=Digi-Key, Supplier Part Number 2=311-2.61KHRDKR-ND, Supplier Part Number 3=311-2.61KHRTR-ND
R2: library part "Res 4K64 1% SMT 0603", "4.64 kOhms ±1% 0.1W, 1/10W Chip Resistor 0603 (1608 Metric) Moisture Resistant Thick Film", Device Package="0603 (1608 Metric)", Manufacturer=Yageo, Operating Temperature="-55°C ~ 155°C", Power (Watts)="0.1W, 1/10W", Resistance=4K64, Supplier Device Package=0603, Supplier Part Number 1=311-4.64KHRCT-ND, Temperature Coefficient=±100ppm/°C, Tolerance=±1%, ComponentLink1Description=Datasheet, ComponentLink1URL=https://www.yageo.com/upload/media/product/productsearch/datasheet/rchip/PYu-RC_Group_51_RoHS_L_10.pdf, ComponentLink2Description="DigiKey Link", ComponentLink2URL=https://www.digikey.com/en/products/detail/yageo/RC0603FR-074K64L/727211, Composition="Thick Film", Features="Moisture Resistant", Height - Seated (Max)="0.022\" (0.55mm)", lastupdated="2023-03-10 20:29:36", Lifecycle Status=Active, Minimum Order=1, Number of Terminations=2, Package / Case="0603 (1608 Metric)", Packaging=CutTape, Part Number=RC0603FR-074K64L, Part Status=Active, partid=12437, price=0.01, Series=RC_L, Size / Dimension="0.063\" L x 0.031\" W (1.60mm x 0.80mm)", Supplier 1=DigiKey
R3: "RES 22.1K OHM 1% 1/10W 0603", Device Package="0603 (1608 Metric)", Manufacturer=Yageo, Operating Temperature="-55°C ~ 155°C", Part Number=RC0603FR-0722K1L, Power (Watts)="0.1W, 1/10W", Resistance=22K1, Supplier Device Package=0603, Supplier Part Number 1=311-22.1KHRCT-ND, Temperature Coefficient=±100ppm/°C, Tolerance=±1%, ComponentLink1Description=Datasheet, ComponentLink1URL=https://www.yageo.com/upload/media/product/productsearch/datasheet/rchip/PYu-RC_Group_51_RoHS_L_10.pdf, ComponentLink2Description="DigiKey Link", ComponentLink2URL=https://www.digikey.com/en/products/detail/yageo/RC0603FR-0722K1L/727058, Composition="Thick Film", Features="Moisture Resistant", Height - Seated (Max)="0.022\" (0.55mm)", lastupdated="2023-03-08 20:29:23", Lifecycle Status=Active, Minimum Order=1, Number of Terminations=2, Package / Case="0603 (1608 Metric)", Packaging=CutTape, Part Status=Active, partid=19017, price=0.01, Series=RC_L, Size / Dimension="0.063\" L x 0.031\" W (1.60mm x 0.80mm)", Supplier 1=Digi-Key, Supplier 2=Digi-Key, Supplier 3=Digi-Key, Supplier Part Number 2=311-22.1KHRDKR-ND, Supplier Part Number 3=311-22.1KHRTR-ND
R4: "88.7 kΩ ±1% 0.1W, 1/10W Chip Resistor 0603 (1608 Metric) Automotive AEC-Q200 Thick Film", Device Package="0603 (1608 Metric)", Manufacturer="Vishay Dale", Operating Temperature="-55°C ~ 155°C", Part Number=CRCW060388K7FKEB, Power (Watts)="0.1W, 1/10W", Ratings=AEC-Q200, Resistance=88K7, Supplier Device Package=0603, Supplier Part Number 1=541-CRCW060388K7FKEBCT-ND, Temperature Coefficient=±100ppm/°C, Tolerance=±1%, ComponentLink1Description=Datasheet, ComponentLink1URL=http://www.vishay.com/docs/20035/dcrcwe3.pdf, ComponentLink2Description="DigiKey Link", ComponentLink2URL=https://www.digikey.com/en/products/detail/vishay-dale/CRCW060388K7FKEB/5073407, Composition="Thick Film", Features="Automotive AEC-Q200", Height - Seated (Max)="0.020\" (0.50mm)", lastupdated="2023-03-06 20:27:22", Lifecycle Status=Active, Minimum Order=1, Number of Terminations=2, Package / Case="0603 (1608 Metric)", Packaging=CutTape, Part Status=Active, partid=56612, price=0.01, Series=CRCW, Size / Dimension="0.063\" L x 0.033\" W (1.60mm x 0.85mm)", Supplier 1=Digi-Key, Supplier 2=Digi-Key, Supplier Part Number 2=541-CRCW060388K7FKEBDKR-ND
R5 R6 R7 R8 R9 R10 R11 R12 R13 R14 R15 R16 R17 R18 R19 R20 R21 R22 R23 R24 R25 R26 R27 R28: "10 kΩ  ±0.1% 0.1W, 1/10W Chip Resistor 0603 (1608 Metric) Thin Film", Device Package="0603 (1608 Metric)", Manufacturer=Yageo, Operating Temperature="-55°C ~ 155°C", Part Number=RT0603BRD0710KL, Power (Watts)="0.1W, 1/10W", Resistance=10K, Supplier Device Package=0603, Supplier Part Number 1=YAG1236CT-ND, Temperature Coefficient=±25ppm/°C, Tolerance=±0.1%, ComponentLink1Description=Datasheet, ComponentLink1URL=https://www.yageo.com/upload/media/product/productsearch/datasheet/rchip/PYu-RT_1-to-0.01_RoHS_L_11.pdf, ComponentLink2Description="DigiKey Link", ComponentLink2URL=https://www.digikey.com/en/products/detail/yageo/RT0603BRD0710KL/1072198, Composition="Thin Film", Height - Seated (Max)="0.022\" (0.55mm)", lastupdated="2023-03-06 20:27:57", Lifecycle Status=Active, Minimum Order=1, Number of Terminations=2, Package / Case="0603 (1608 Metric)", Packaging=TapeAndReel, Part Status=Active, partid=22611, price=0.03, Series=RT, Size / Dimension="0.063\" L x 0.031\" W (1.60mm x 0.80mm)", Supplier 1=Digi-Key, Supplier 2=Digi-Key, Supplier 3=Digi-Key, Supplier Part Number 2=YAG1236DKR-ND, Supplier Part Number 3=YAG1236TR-ND
S1: library part "SW DPDT Pushbutton V2", "Pushbutton Switch DPDT Standard Through Hole", Supplier Part Number 1=EG6030-ND, Code_IPC=SOT26A-6, Code_JEITA=SC-74, LatestRevisionDate=29-May-2009, LatestRevisionNote="IPC-7351 Footprint Added.", PackageDescription="6-Pin SOT-23 Package 0.95 mm Pitch, 2.7 mm Lead Span", PackageReference=SOT23-6, PackageVersion=Mar-2001, Published=24-Mar-1999, Publisher="Altium Limited", Supplier 1=Digi-Key
TVS2: "25V Clamp 6A (8/20µs) Ipp Tvs Diode Surface Mount SC-70-6", Supplier Part Number 1=RCLAMP0504FATCTCT-ND, Supplier 1=Digi-Key, Supplier 2=Digi-Key, Supplier 3=Digi-Key, Supplier Part Number 2=RCLAMP0504FATCTDKR-ND, Supplier Part Number 3=RCLAMP0504FATCTTR-ND
U1 U2 U3: library part "Instrumentation Op Amp 35 MHz 8 pins", "Instrumentation Amplifier 1 Circuit Rail-to-Rail 8-SOIC", Supplier Part Number 1=MCP6N11-100E/SN-ND, Supplier 1=Digi-Key
U4 U5 U6 U7 U8: "Instrumentation Amplifier 1 Circuit Rail-to-Rail 8-SOIC", Supplier Part Number 1=MCP6N11-100E/SN-ND, Supplier 1=Digi-Key
USB1: library part "USB Micro-AB Connector A", "USB - Micro AB 2.0 Receptacle Connector 5 Position, Vertical, Through Hole with 2.30 mm (Standard) Shell Stakes, 5-Pin THD, RoHS, Tape and Reel", Supplier Part Number 1=18X0232, Supplier 1=Newark
VREF1 VREF3: "Series Voltage Reference IC Fixed 3.3V V ±0.1% 20 mA SOT-23-6", Case/Package=SOT-23-6, Max Operating Temperature=125°C, Min Operating Temperature=-40°C, Min Output Voltage=3.3V, Operating Supply Current=550μA, Output Current=20mA, Supplier Part Number 1=MCP1501T-33E/CHYCT-ND, Temperature Coefficient=50ppm/°C, Tolerance=0.08%, ComponentLink1Description=Datasheet, ComponentLink1URL=https://ww1.microchip.com/downloads/aemDocuments/documents/MSLD/ProductDocuments/DataSheets/MCP1501-Data-Sheet-DS20005474F.pdf, Output Type=Fixed, Reference Type=Series, Supplier 1=Digi-Key, Supplier 2=Digi-Key, Supplier 3=Digi-Key, Supplier Part Number 2=MCP1501T-33E/CHYDKR-ND, Supplier Part Number 3=MCP1501T-33E/CHYTR-ND
VREF2: "Series Voltage Reference IC Fixed 1.8V V ±0.1% 20 mA SOT-23-6", Case/Package=SOT-23-6, Max Operating Temperature=125°C, Min Operating Temperature=-40°C, Min Output Voltage=1.8V, Operating Supply Current=550μA, Output Current=20mA, Supplier Part Number 1=MCP1501T-18E/CHYCT-ND, Temperature Coefficient=50ppm/°C, Tolerance=0.08%, ComponentLink1Description=Datasheet, ComponentLink1URL=https://ww1.microchip.com/downloads/aemDocuments/documents/MSLD/ProductDocuments/DataSheets/MCP1501-Data-Sheet-DS20005474F.pdf, Output Type=Fixed, Reference Type=Series, Supplier 1=Digi-Key, Supplier 2=Digi-Key, Supplier Part Number 2=MCP1501T-18E/CHYDKR-ND
VREG1: "Buck Switching Regulator IC Positive Adjustable 1V 1 Output 1A SOT-23-6", Arrow Part Number=LMR50410YFQDBVRQ1, Manufacturer_Name="Texas Instruments", Mouser Part Number=595-MR50410YFQDBVRQ1, Supplier Part Number 1=296-LMR50410YFQDBVRQ1CT-ND, Arrow Price/Stock=https://www.arrow.com/en/products/lmr50410yfqdbvrq1/texas-instruments?region=nac, Datasheet Link=https://www.ti.com/product/LMR50410-Q1, Height=1.45mm, Manufacturer_Part_Number=LMR50410YFQDBVRQ1, Mouser Price/Stock=https://www.mouser.co.uk/ProductDetail/Texas-Instruments/LMR50410YFQDBVRQ1?qs=81r%252BiQLm7BRUAgUFqYZycA%3D%3D, Supplier 1=Digi-Key, Supplier 2=Digi-Key, Supplier 3=Digi-Key, Supplier Part Number 2=296-LMR50410YFQDBVRQ1DKR-ND, Supplier Part Number 3=296-LMR50410YFQDBVRQ1TR-ND
Y1: library part "Crystal Abracon ABS07", "32.768 kHz ±20ppm Crystal 6pF 55 kOhms 2-SMD, No Lead", ESR (Equivalent Series Resistance)="55 kOhms", Frequency="32.768 kHz", Frequency Tolerance=±20ppm, Load Capacitance=6pF, Manufacturer="Abracon LLC", Operating Mode=Fundamental, Operating Temperature="-40°C ~ 85°C", Package / Case="2-SMD, No Lead", Supplier Part Number 1=535-11937-1-ND, ComponentLink1Description=Datasheet, ComponentLink1URL=https://abracon.com/Resonators/ABS07-120-32.768kHz-T.pdf, ComponentLink2Description="DigiKey Link", ComponentLink2URL=https://www.digikey.com/en/products/detail/abracon-llc/ABS07-120-32-768KHZ-T/3724043, Height - Seated (Max)="0.035\" (0.90mm)", lastupdated="2023-03-06 20:57:22", Lifecycle Status=Active, Minimum Order=1, Mounting Type="Surface Mount", Packaging=TapeAndReel, Part Number=ABS07-120-32.768KHZ-T, Part Status=Active, partid=385, price=0.44, Series=ABS07, Size / Dimension="0.126\" L x 0.059\" W (3.20mm x 1.50mm)", Supplier 1=Digi-Key, Supplier 2=Digi-Key, Supplier 3=Digi-Key, Supplier Part Number 2=535-11937-6-ND, Supplier Part Number 3=535-11937-2-ND, Type="kHz Crystal (Tuning Fork)"

## Via types
v1: diameter 0.7, hole 0.3, Top Layer to Bottom Layer, tented both sides, 147 vias
v2: diameter 0.9, hole 0.5, Top Layer to Bottom Layer, tented both sides, 73 vias